# KiCad board coils_12_35_10_2_layer.kicad_pcb (continued)
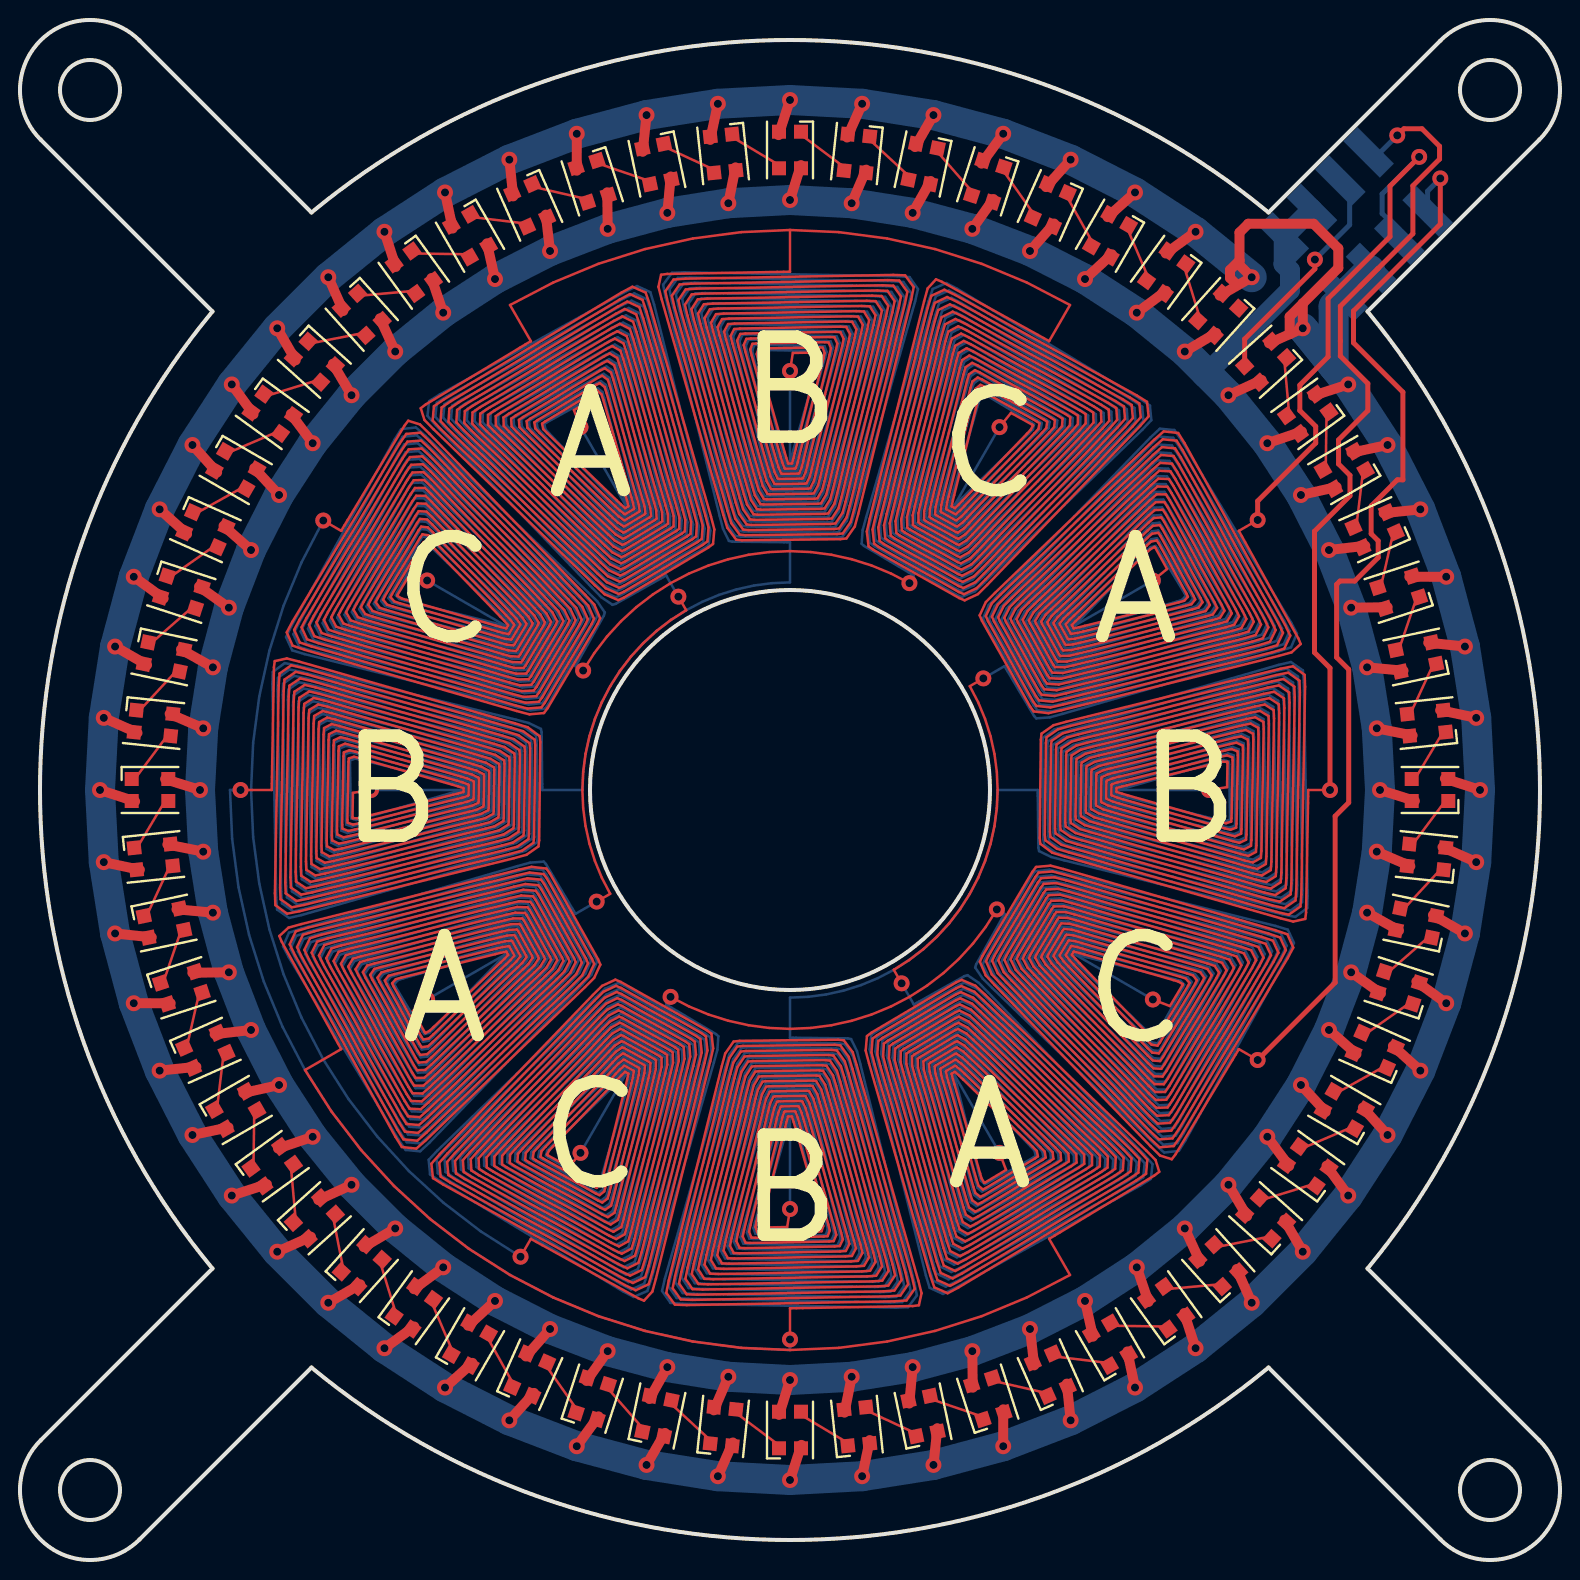
[diagram p0: board, top side]
## Routing (per net, layer and track width the routed paths; a pad name or vN(x,y) marks a point on that pad's centre or on a via; arc(x,y) is an arc through that point) (continued)
  Bottom w0.127: v1(59.45,38.5) 54.95,38.5 54.95,38.51 54.96,38.51 55.21,38.58 55.47,38.66 59.93,39.93 60.19,40 60.44,39.93 60.45,39.78 60.5,37.16 60.49,37.01 60.23,36.93 59.96,36.99 55.25,38.15 54.97,38.22 54.71,38.31 54.7,38.33 54.69,38.66 54.71,38.69 54.98,38.78 55.26,38.86 60.13,40.25 60.41,40.33 60.68,40.23 60.7,40.05 60.76,36.9 60.75,36.72 60.47,36.61 60.17,36.68 55.05,37.94 54.75,38.02 54.46,38.13 54.45,38.17 54.44,38.82 54.45,38.86 54.75,38.98 55.06,39.07 60.33,40.58 60.64,40.65 60.93,40.53 60.95,40.32 61.02,36.63 61.01,36.42 60.7,36.29 60.38,36.36 54.84,37.73 54.52,37.81 54.21,37.94 54.19,38.01 54.18,38.97 54.2,39.03 54.51,39.17 54.85,39.27 60.53,40.9 60.86,40.98 61.18,40.84 61.2,40.59 61.28,36.37 61.26,36.13 60.94,35.97 60.59,36.05 54.64,37.52 54.29,37.61 53.96,37.76 53.94,37.84 53.93,39.12 53.94,39.2 54.28,39.37 54.64,39.48 60.73,41.22 61.08,41.31 61.43,41.14 61.45,40.86 61.54,36.11 61.52,35.83 61.17,35.66 60.8,35.73 54.44,37.31 54.06,37.41 53.71,37.58 53.69,37.68 53.67,39.28 53.69,39.38 54.05,39.57 54.43,39.68 60.93,41.54 61.31,41.63 61.67,41.44 61.7,41.14 61.8,35.84 61.78,35.54 61.41,35.34 61.01,35.42 54.23,37.1 53.84,37.2 53.46,37.4 53.44,37.52 53.42,39.43 53.44,39.55 53.82,39.77 54.22,39.89 61.13,41.86 61.53,41.96 61.92,41.75 61.95,41.41 62.05,35.58 62.04,35.24 61.64,35.02 61.22,35.11 54.03,36.89 53.61,37 53.21,37.22 53.19,37.36 53.16,39.58 53.18,39.72 53.59,39.96 54.01,40.09 61.33,42.18 61.76,42.29 62.17,42.05 62.2,41.68 62.31,35.32 62.3,34.95 61.88,34.7 61.43,34.79 53.83,36.67 53.38,36.79 52.96,37.04 52.93,37.19 52.9,39.74 52.93,39.89 53.35,40.16 53.81,40.3 61.53,42.5 61.98,42.61 62.42,42.35 62.45,41.95 62.57,35.05 62.55,34.66 62.12,34.38 61.65,34.48 53.63,36.46 53.16,36.59 52.71,36.86 52.68,37.03 52.65,39.89 52.67,40.07 53.12,40.36 53.6,40.5 61.73,42.83 62.2,42.94 62.66,42.66 62.7,42.23 62.83,34.79 62.81,34.36 62.35,34.07 61.86,34.16 53.42,36.25 52.93,36.38 52.46,36.68 52.43,36.87 52.39,40.05 52.42,40.24 52.89,40.55 53.39,40.71 61.93,43.15 62.43,43.27 62.91,42.96 62.94,42.5 63.09,34.53 63.07,34.07 62.59,33.75 62.07,33.85 53.22,36.04 52.7,36.18 52.21,36.5 52.18,36.71 52.14,40.2 52.16,40.41 52.66,40.75 53.18,40.91 62.13,43.47 62.65,43.59 63.16,43.26 63.19,42.77 63.35,34.27 63.33,33.77 62.82,33.43 62.28,33.54 53.02,35.83 52.47,35.98 51.96,36.31 51.92,36.54 51.88,40.35 51.91,40.59 52.42,40.95 52.97,41.11 62.33,43.79 62.88,43.92 63.4,43.56 63.44,43.04 63.61,34 63.59,33.48 63.06,33.11 62.49,33.22 52.81,35.62 52.25,35.77 51.71,36.13 51.67,36.38 51.62,40.51 51.65,40.76 52.19,41.14 52.76,41.32 62.53,44.11 63.1,44.25 63.65,43.87 63.69,43.32 63.87,33.74 63.84,33.19 63.29,32.79 62.7,32.91 52.61,35.41 52.02,35.57 51.45,35.95 51.42,36.22 51.37,40.66 51.4,40.93 51.96,41.34 52.56,41.52 62.73,44.43 63.32,44.57 63.9,44.17 63.94,43.59 64.12,33.48 64.1,32.89 63.53,32.47 62.91,32.59 52.41,35.2 51.79,35.36 51.2,35.77 51.17,36.06 51.11,40.82 51.14,41.1 51.73,41.54 52.35,41.73 62.93,44.75 63.55,44.9 64.15,44.47 64.19,43.86 64.38,33.21 64.36,32.6 63.76,32.16 63.12,32.28 52.2,34.98 51.56,35.15 50.95,35.44 50.92,35.6 50.89,38.5 48.88,38.5 48.84,37.6 48.72,36.7 48.53,35.81 48.25,34.95 47.91,34.11 47.49,33.31 47,32.55 46.45,31.83 45.84,31.16 45.17,30.55 44.45,30 43.69,29.51 42.89,29.09 42.05,28.75 41.19,28.47 40.3,28.28 39.4,28.16 38.5,28.12 38.5,26.11 41.4,26.08 41.56,26.05 41.85,25.44 42.02,24.8 44.72,13.88 44.84,13.24 44.4,12.64 43.79,12.62 33.14,12.81 32.53,12.85 32.1,13.45 32.25,14.07 35.27,24.65 35.46,25.27 35.9,25.86 36.18,25.89 40.94,25.83 41.23,25.8 41.64,25.21 41.8,24.59 44.41,14.09 44.53,13.47 44.11,12.9 43.52,12.88 33.41,13.06 32.83,13.1 32.43,13.68 32.57,14.27 35.48,24.44 35.66,25.04 36.07,25.6 36.34,25.63 40.78,25.58 41.05,25.55 41.43,24.98 41.59,24.39 44.09,14.3 44.21,13.71 43.81,13.16 43.26,13.13 33.68,13.31 33.13,13.35 32.75,13.9 32.89,14.47 35.68,24.24 35.86,24.81 36.24,25.35 36.49,25.38 40.62,25.33 40.87,25.29 41.23,24.75 41.38,24.19 43.78,14.51 43.89,13.94 43.52,13.41 43,13.39 33.96,13.56 33.44,13.6 33.08,14.12 33.21,14.67 35.89,24.03 36.05,24.58 36.41,25.09 36.65,25.12 40.46,25.08 40.69,25.04 41.02,24.53 41.17,23.98 43.46,14.72 43.57,14.18 43.23,13.67 42.73,13.65 34.23,13.81 33.74,13.84 33.41,14.35 33.53,14.87 36.09,23.82 36.25,24.34 36.59,24.84 36.8,24.86 40.29,24.82 40.5,24.79 40.82,24.3 40.96,23.78 43.15,14.93 43.25,14.41 42.93,13.93 42.47,13.91 34.5,14.06 34.04,14.09 33.73,14.57 33.85,15.07 36.29,23.61 36.45,24.11 36.76,24.58 36.95,24.61 40.13,24.57 40.32,24.54 40.62,24.07 40.75,23.58 42.84,15.14 42.93,14.65 42.64,14.19 42.21,14.17 34.77,14.3 34.34,14.34 34.06,14.8 34.17,15.27 36.5,23.4 36.64,23.88 36.93,24.33 37.11,24.35 39.97,24.32 40.14,24.29 40.41,23.84 40.54,23.37 42.52,15.35 42.62,14.88 42.34,14.45 41.95,14.43 35.05,14.55 34.65,14.58 34.39,15.02 34.5,15.47 36.7,23.19 36.84,23.65 37.11,24.07 37.26,24.1 39.81,24.07 39.96,24.04 40.21,23.62 40.33,23.17 42.21,15.57 42.3,15.12 42.05,14.7 41.68,14.69 35.32,14.8 34.95,14.83 34.71,15.24 34.82,15.67 36.91,22.99 37.04,23.41 37.28,23.82 37.42,23.84 39.64,23.81 39.78,23.79 40,23.39 40.11,22.97 41.89,15.78 41.98,15.36 41.76,14.96 41.42,14.95 35.59,15.05 35.25,15.08 35.04,15.47 35.14,15.87 37.11,22.78 37.23,23.18 37.45,23.56 37.57,23.58 39.48,23.56 39.6,23.54 39.8,23.16 39.9,22.77 41.58,15.99 41.66,15.59 41.46,15.22 41.16,15.2 35.86,15.3 35.56,15.33 35.37,15.69 35.46,16.07 37.32,22.57 37.43,22.95 37.62,23.31 37.72,23.33 39.32,23.31 39.42,23.29 39.59,22.94 39.69,22.56 41.27,16.2 41.34,15.83 41.17,15.48 40.89,15.46 36.14,15.55 35.86,15.57 35.69,15.92 35.78,16.27 37.52,22.36 37.63,22.72 37.8,23.06 37.88,23.07 39.16,23.06 39.24,23.04 39.39,22.71 39.48,22.36 40.95,16.41 41.03,16.06 40.87,15.74 40.63,15.72 36.41,15.8 36.16,15.82 36.02,16.14 36.1,16.47 37.73,22.15 37.83,22.49 37.97,22.8 38.03,22.82 38.99,22.81 39.06,22.79 39.19,22.48 39.27,22.16 40.64,16.62 40.71,16.3 40.58,15.99 40.37,15.98 36.68,16.05 36.47,16.07 36.35,16.36 36.42,16.67 37.93,21.94 38.02,22.25 38.14,22.55 38.18,22.56 38.83,22.55 38.87,22.54 38.98,22.25 39.06,21.95 40.32,16.83 40.39,16.53 40.28,16.25 40.1,16.24 36.95,16.3 36.77,16.32 36.67,16.59 36.75,16.87 38.14,21.74 38.22,22.02 38.31,22.29 38.34,22.31 38.67,22.3 38.69,22.29 38.78,22.03 38.85,21.75 40.01,17.04 40.07,16.77 39.99,16.51 39.84,16.5 37.22,16.55 37.07,16.56 37,16.81 37.07,17.07 38.34,21.53 38.42,21.79 38.49,22.04 38.49,22.05 38.5,22.05 v1(38.5,17.55) ; v1(48.98,56.64) 46.73,52.75 46.73,52.74 46.74,52.75 46.93,52.93 47.12,53.12 50.45,56.34 50.64,56.53 50.7,56.79 50.58,56.87 48.34,58.22 48.2,58.29 48.01,58.1 47.92,57.84 46.58,53.18 46.5,52.91 46.44,52.64 46.45,52.61 46.74,52.44 46.77,52.44 46.98,52.63 47.2,52.84 50.83,56.35 51.04,56.56 51.09,56.85 50.94,56.95 48.24,58.58 48.08,58.66 47.85,58.47 47.75,58.18 46.29,53.11 46.21,52.81 46.16,52.51 46.18,52.48 46.74,52.15 46.79,52.14 47.04,52.33 47.27,52.55 51.21,56.36 51.43,56.59 51.48,56.91 51.3,57.03 48.14,58.94 47.95,59.03 47.69,58.83 47.59,58.52 46.01,53.04 45.92,52.72 45.87,52.38 45.92,52.34 46.75,51.85 46.81,51.83 47.09,52.03 47.34,52.27 51.59,56.38 51.83,56.62 51.86,56.97 51.66,57.11 48.04,59.29 47.83,59.4 47.53,59.19 47.42,58.86 45.72,52.97 45.63,52.62 45.59,52.26 45.65,52.2 46.75,51.55 46.83,51.52 47.15,51.73 47.42,51.99 51.97,56.39 52.22,56.65 52.25,57.04 52.02,57.19 47.95,59.65 47.7,59.77 47.37,59.56 47.25,59.2 45.44,52.9 45.33,52.53 45.31,52.13 45.39,52.06 46.76,51.25 46.85,51.22 47.2,51.43 47.49,51.71 52.35,56.4 52.62,56.69 52.63,57.1 52.38,57.27 47.85,60 47.58,60.14 47.22,59.92 47.09,59.54 45.15,52.83 45.04,52.43 45.03,52 45.12,51.93 46.76,50.95 46.88,50.91 47.25,51.13 47.56,51.42 52.72,56.41 53.01,56.72 53.02,57.16 52.74,57.35 47.75,60.36 47.45,60.51 47.06,60.28 46.92,59.88 44.87,52.76 44.75,52.34 44.75,51.88 44.85,51.79 46.77,50.65 46.9,50.6 47.31,50.83 47.64,51.14 53.1,56.43 53.41,56.75 53.41,57.22 53.1,57.43 47.65,60.71 47.32,60.88 46.9,60.65 46.76,60.22 44.58,52.69 44.46,52.24 44.46,51.75 44.59,51.65 46.77,50.35 46.92,50.3 47.36,50.53 47.71,50.86 53.48,56.44 53.8,56.78 53.79,57.29 53.46,57.51 47.55,61.07 47.2,61.25 46.74,61.01 46.59,60.56 44.3,52.62 44.17,52.15 44.18,51.63 44.32,51.52 46.78,50.06 46.94,49.99 47.42,50.23 47.78,50.57 53.86,56.45 54.2,56.81 54.18,57.35 53.82,57.59 47.45,61.42 47.07,61.62 46.58,61.37 46.42,60.9 44.01,52.55 43.88,52.05 43.9,51.5 44.05,51.38 46.79,49.76 46.97,49.68 47.47,49.93 47.85,50.29 54.24,56.46 54.59,56.84 54.57,57.41 54.18,57.67 47.36,61.78 46.95,61.99 46.43,61.74 46.26,61.24 43.73,52.48 43.59,51.96 43.62,51.37 43.79,51.24 46.79,49.46 46.99,49.37 47.53,49.64 47.93,50.01 54.62,56.48 54.99,56.87 54.95,57.47 54.55,57.75 47.26,62.14 46.82,62.37 46.27,62.1 46.09,61.58 43.45,52.41 43.3,51.86 43.34,51.25 43.52,51.1 46.8,49.16 47.01,49.07 47.58,49.34 48,49.73 54.99,56.49 55.38,56.9 55.34,57.53 54.91,57.83 47.16,62.49 46.7,62.74 46.11,62.46 45.93,61.92 43.16,52.34 43.01,51.77 43.05,51.12 43.25,50.97 46.8,48.86 47.03,48.76 47.63,49.04 48.07,49.44 55.37,56.5 55.78,56.93 55.72,57.6 55.27,57.91 47.06,62.85 46.57,63.11 45.95,62.83 45.76,62.26 42.88,52.27 42.72,51.67 42.77,50.99 42.99,50.83 46.81,48.56 47.05,48.45 47.69,48.74 48.15,49.16 55.75,56.51 56.17,56.96 56.11,57.66 55.63,57.99 46.96,63.2 46.44,63.48 45.8,63.19 45.59,62.6 42.59,52.2 42.43,51.58 42.49,50.87 42.72,50.69 46.81,48.27 47.08,48.15 47.74,48.44 48.22,48.88 56.13,56.53 56.56,56.99 56.5,57.72 55.99,58.07 46.86,63.56 46.32,63.85 45.64,63.55 45.43,62.94 42.31,52.13 42.13,51.49 42.08,50.81 42.2,50.7 44.69,49.23 v1(44.47,48.84) ; v1(56.64,28.03) 52.75,30.28 52.75,30.28 52.76,30.28 53.01,30.22 53.28,30.15 57.77,29.03 58.03,28.96 58.21,28.77 58.15,28.63 56.88,26.34 56.8,26.21 56.53,26.27 56.33,26.46 52.83,29.83 52.63,30.02 52.44,30.23 52.44,30.25 52.61,30.54 52.63,30.56 52.91,30.5 53.2,30.43 58.11,29.21 58.39,29.13 58.58,28.9 58.5,28.74 56.98,25.98 56.88,25.83 56.58,25.88 56.35,26.09 52.55,29.74 52.33,29.96 52.14,30.19 52.14,30.24 52.46,30.8 52.5,30.83 52.81,30.79 53.12,30.71 58.44,29.38 58.75,29.3 58.94,29.04 58.85,28.85 57.07,25.62 56.95,25.45 56.62,25.49 56.38,25.71 52.27,29.66 52.03,29.9 51.83,30.16 51.84,30.22 52.32,31.07 52.36,31.11 52.71,31.08 53.04,31 58.77,29.56 59.1,29.47 59.31,29.18 59.21,28.96 57.16,25.27 57.03,25.06 56.67,25.09 56.4,25.33 51.99,29.58 51.73,29.83 51.52,30.13 51.54,30.21 52.17,31.33 52.23,31.39 52.6,31.36 52.97,31.28 59.11,29.74 59.46,29.64 59.67,29.32 59.56,29.07 57.25,24.91 57.1,24.68 56.71,24.7 56.43,24.95 51.71,29.5 51.43,29.77 51.21,30.1 51.24,30.2 52.03,31.59 52.09,31.66 52.5,31.65 52.89,31.56 59.44,29.92 59.82,29.81 60.04,29.46 59.91,29.18 57.35,24.55 57.18,24.3 56.76,24.31 56.46,24.58 51.43,29.42 51.13,29.71 50.91,30.07 50.95,30.18 51.88,31.85 51.96,31.94 52.4,31.94 52.81,31.84 59.78,30.1 60.18,29.98 60.41,29.6 60.26,29.3 57.44,24.2 57.26,23.91 56.8,23.91 56.48,24.2 51.14,29.34 50.83,29.64 50.6,30.04 50.65,30.17 51.74,32.11 51.82,32.22 52.3,32.22 52.73,32.12 60.11,30.28 60.53,30.15 60.77,29.74 60.61,29.41 57.53,23.84 57.33,23.53 56.85,23.52 56.51,23.82 50.86,29.25 50.54,29.58 50.29,30.01 50.35,30.15 51.59,32.37 51.69,32.49 52.19,32.51 52.65,32.4 60.44,30.45 60.89,30.32 61.14,29.88 60.97,29.52 57.62,23.48 57.41,23.14 56.89,23.13 56.53,23.44 50.58,29.17 50.24,29.52 49.98,29.97 50.05,30.14 51.45,32.63 51.56,32.77 52.09,32.8 52.58,32.68 60.78,30.63 61.25,30.49 61.5,30.02 61.32,29.63 57.72,23.12 57.49,22.76 56.94,22.73 56.56,23.07 50.3,29.09 49.94,29.45 49.68,29.94 49.75,30.12 51.3,32.89 51.42,33.05 51.99,33.08 52.5,32.97 61.11,30.81 61.6,30.66 61.87,30.16 61.67,29.74 57.81,22.77 57.56,22.38 56.98,22.34 56.59,22.69 50.02,29.01 49.64,29.39 49.37,29.91 49.45,30.11 51.16,33.15 51.29,33.33 51.88,33.37 52.42,33.25 61.44,30.99 61.96,30.83 62.23,30.3 62.02,29.85 57.9,22.41 57.64,21.99 57.03,21.95 56.61,22.31 49.74,28.93 49.34,29.33 49.06,29.88 49.15,30.09 51.01,33.42 51.15,33.6 51.78,33.66 52.34,33.53 61.78,31.17 62.32,31.01 62.6,30.43 62.37,29.96 57.99,22.05 57.72,21.61 57.07,21.55 56.64,21.93 49.45,28.85 49.04,29.26 48.75,29.85 48.85,30.08 50.87,33.68 51.02,33.88 51.68,33.94 52.26,33.81 62.11,31.35 62.68,31.18 62.97,30.57 62.72,30.07 58.09,21.69 57.79,21.22 57.12,21.16 56.66,21.56 49.17,28.77 48.74,29.2 48.45,29.82 48.55,30.07 50.73,33.94 50.88,34.16 51.58,34.23 52.18,34.09 62.45,31.52 63.03,31.35 63.33,30.71 63.08,30.19 58.18,21.34 57.87,20.84 57.16,20.77 56.69,21.18 48.89,28.68 48.44,29.14 48.14,29.78 48.25,30.05 50.58,34.2 50.75,34.43 51.47,34.52 52.11,34.37 62.78,31.7 63.39,31.52 63.7,30.85 63.43,30.3 58.27,20.98 57.94,20.46 57.21,20.37 56.72,20.8 48.61,28.6 48.14,29.07 47.76,29.63 47.81,29.78 49.23,32.31 v1(48.84,32.53) ; v1(15.16,51.97) 14.08,49.89 13.18,47.72 12.47,45.47 11.96,43.18 11.66,40.85 11.55,38.5 11.66,36.15 11.96,33.82 12.47,31.53 13.18,29.28 14.08,27.11 15.16,25.03 16.43,23.04 17.86,21.18 19.45,19.45 21.18,17.86 23.04,16.43 v1(25.03,15.16) ; v1(38.5,59.45) 38.5,54.95 38.51,54.95 38.51,54.96 38.58,55.21 38.66,55.47 39.93,59.93 40,60.19 39.93,60.44 39.78,60.45 37.16,60.5 37.01,60.49 36.93,60.23 36.99,59.96 38.15,55.25 38.22,54.97 38.31,54.71 38.33,54.7 38.66,54.69 38.69,54.71 38.78,54.98 38.86,55.26 40.25,60.13 40.33,60.41 40.23,60.68 40.05,60.7 36.9,60.76 36.72,60.75 36.61,60.47 36.68,60.17 37.94,55.05 38.02,54.75 38.13,54.46 38.17,54.45 38.82,54.44 38.86,54.45 38.98,54.75 39.07,55.06 40.58,60.33 40.65,60.64 40.53,60.93 40.32,60.95 36.63,61.02 36.42,61.01 36.29,60.7 36.36,60.38 37.73,54.84 37.81,54.52 37.94,54.21 38.01,54.19 38.97,54.18 39.03,54.2 39.17,54.51 39.27,54.85 40.9,60.53 40.98,60.86 40.84,61.18 40.59,61.2 36.37,61.28 36.13,61.26 35.97,60.94 36.05,60.59 37.52,54.64 37.61,54.29 37.76,53.96 37.84,53.94 39.12,53.93 39.2,53.94 39.37,54.28 39.48,54.64 41.22,60.73 41.31,61.08 41.14,61.43 40.86,61.45 36.11,61.54 35.83,61.52 35.66,61.17 35.73,60.8 37.31,54.44 37.41,54.06 37.58,53.71 37.68,53.69 39.28,53.67 39.38,53.69 39.57,54.05 39.68,54.43 41.54,60.93 41.63,61.31 41.44,61.67 41.14,61.7 35.84,61.8 35.54,61.78 35.34,61.41 35.42,61.01 37.1,54.23 37.2,53.84 37.4,53.46 37.52,53.44 39.43,53.42 39.55,53.44 39.77,53.82 39.89,54.22 41.86,61.13 41.96,61.53 41.75,61.92 41.41,61.95 35.58,62.05 35.24,62.04 35.02,61.64 35.11,61.22 36.89,54.03 37,53.61 37.22,53.21 37.36,53.19 39.58,53.16 39.72,53.18 39.96,53.59 40.09,54.01 42.18,61.33 42.29,61.76 42.05,62.17 41.68,62.2 35.32,62.31 34.95,62.3 34.7,61.88 34.79,61.43 36.67,53.83 36.79,53.38 37.04,52.96 37.19,52.93 39.74,52.9 39.89,52.93 40.16,53.35 40.3,53.81 42.5,61.53 42.61,61.98 42.35,62.42 41.95,62.45 35.05,62.57 34.66,62.55 34.38,62.12 34.48,61.65 36.46,53.63 36.59,53.16 36.86,52.71 37.03,52.68 39.89,52.65 40.07,52.67 40.36,53.12 40.5,53.6 42.83,61.73 42.94,62.2 42.66,62.66 42.23,62.7 34.79,62.83 34.36,62.81 34.07,62.35 34.16,61.86 36.25,53.42 36.38,52.93 36.68,52.46 36.87,52.43 40.05,52.39 40.24,52.42 40.55,52.89 40.71,53.39 43.15,61.93 43.27,62.43 42.96,62.91 42.5,62.94 34.53,63.09 34.07,63.07 33.75,62.59 33.85,62.07 36.04,53.22 36.18,52.7 36.5,52.21 36.71,52.18 40.2,52.14 40.41,52.16 40.75,52.66 40.91,53.18 43.47,62.13 43.59,62.65 43.26,63.16 42.77,63.19 34.27,63.35 33.77,63.33 33.43,62.82 33.54,62.28 35.83,53.02 35.98,52.47 36.31,51.96 36.54,51.92 40.35,51.88 40.59,51.91 40.95,52.42 41.11,52.97 43.79,62.33 43.92,62.88 43.56,63.4 43.04,63.44 34,63.61 33.48,63.59 33.11,63.06 33.22,62.49 35.62,52.81 35.77,52.25 36.13,51.71 36.38,51.67 40.51,51.62 40.76,51.65 41.14,52.19 41.32,52.76 44.11,62.53 44.25,63.1 43.87,63.65 43.32,63.69 33.74,63.87 33.19,63.84 32.79,63.29 32.91,62.7 35.41,52.61 35.57,52.02 35.95,51.45 36.22,51.42 40.66,51.37 40.93,51.4 41.34,51.96 41.52,52.56 44.43,62.73 44.57,63.32 44.17,63.9 43.59,63.94 33.48,64.12 32.89,64.1 32.47,63.53 32.59,62.91 35.2,52.41 35.36,51.79 35.77,51.2 36.06,51.17 40.82,51.11 41.1,51.14 41.54,51.73 41.73,52.35 44.75,62.93 44.9,63.55 44.47,64.15 43.86,64.19 33.21,64.38 32.6,64.36 32.16,63.76 32.28,63.12 34.98,52.2 35.15,51.56 35.44,50.95 35.6,50.92 38.5,50.89 38.5,48.88 37.6,48.84 36.7,48.72 35.81,48.53 34.95,48.25 34.11,47.91 33.31,47.49 32.55,47 31.83,46.45 31.16,45.84 30.55,45.17 30,44.45 29.51,43.69 29.09,42.89 28.75,42.05 28.47,41.19 28.28,40.3 28.16,39.4 28.12,38.5 26.11,38.5 26.08,41.4 26.05,41.56 25.44,41.85 24.8,42.02 13.88,44.72 13.24,44.84 12.64,44.4 12.62,43.79 12.81,33.14 12.85,32.53 13.45,32.1 14.07,32.25 24.65,35.27 25.27,35.46 25.86,35.9 25.89,36.18 25.83,40.94 25.8,41.23 25.21,41.64 24.59,41.8 14.09,44.41 13.47,44.53 12.9,44.11 12.88,43.52 13.06,33.41 13.1,32.83 13.68,32.43 14.27,32.57 24.44,35.48 25.04,35.66 25.6,36.07 25.63,36.34 25.58,40.78 25.55,41.05 24.98,41.43 24.39,41.59 14.3,44.09 13.71,44.21 13.16,43.81 13.13,43.26 13.31,33.68 13.35,33.13 13.9,32.75 14.47,32.89 24.24,35.68 24.81,35.86 25.35,36.24 25.38,36.49 25.33,40.62 25.29,40.87 24.75,41.23 24.19,41.38 14.51,43.78 13.94,43.89 13.41,43.52 13.39,43 13.56,33.96 13.6,33.44 14.12,33.08 14.67,33.21 24.03,35.89 24.58,36.05 25.09,36.41 25.12,36.65 25.08,40.46 25.04,40.69 24.53,41.02 23.98,41.17 14.72,43.46 14.18,43.57 13.67,43.23 13.65,42.73 13.81,34.23 13.84,33.74 14.35,33.41 14.87,33.53 23.82,36.09 24.34,36.25 24.84,36.59 24.86,36.8 24.82,40.29 24.79,40.5 24.3,40.82 23.78,40.96 14.93,43.15 14.41,43.25 13.93,42.93 13.91,42.47 14.06,34.5 14.09,34.04 14.57,33.73 15.07,33.85 23.61,36.29 24.11,36.45 24.58,36.76 24.61,36.95 24.57,40.13 24.54,40.32 24.07,40.62 23.58,40.75 15.14,42.84 14.65,42.93 14.19,42.64 14.17,42.21 14.3,34.77 14.34,34.34 14.8,34.06 15.27,34.17 23.4,36.5 23.88,36.64 24.33,36.93 24.35,37.11 24.32,39.97 24.29,40.14 23.84,40.41 23.37,40.54 15.35,42.52 14.88,42.62 14.45,42.34 14.43,41.95 14.55,35.05 14.58,34.65 15.02,34.39 15.47,34.5 23.19,36.7 23.65,36.84 24.07,37.11 24.1,37.26 24.07,39.81 24.04,39.96 23.62,40.21 23.17,40.33 15.57,42.21 15.12,42.3 14.7,42.05 14.69,41.68 14.8,35.32 14.83,34.95 15.24,34.71 15.67,34.82 22.99,36.91 23.41,37.04 23.82,37.28 23.84,37.42 23.81,39.64 23.79,39.78 23.39,40 22.97,40.11 15.78,41.89 15.36,41.98 14.96,41.76 14.95,41.42 15.05,35.59 15.08,35.25 15.47,35.04 15.87,35.14 22.78,37.11 23.18,37.23 23.56,37.45 23.58,37.57 23.56,39.48 23.54,39.6 23.16,39.8 22.77,39.9 15.99,41.58 15.59,41.66 15.22,41.46 15.2,41.16 15.3,35.86 15.33,35.56 15.69,35.37 16.07,35.46 22.57,37.32 22.95,37.43 23.31,37.62 23.33,37.72 23.31,39.32 23.29,39.42 22.94,39.59 22.56,39.69 16.2,41.27 15.83,41.34 15.48,41.17 15.46,40.89 15.55,36.14 15.57,35.86 15.92,35.69 16.27,35.78 22.36,37.52 22.72,37.63 23.06,37.8 23.07,37.88 23.06,39.16 23.04,39.24 22.71,39.39 22.36,39.48 16.41,40.95 16.06,41.03 15.74,40.87 15.72,40.63 15.8,36.41 15.82,36.16 16.14,36.02 16.47,36.1 22.15,37.73 22.49,37.83 22.8,37.97 22.82,38.03 22.81,38.99 22.79,39.06 22.48,39.19 22.16,39.27 16.62,40.64 16.3,40.71 15.99,40.58 15.98,40.37 16.05,36.68 16.07,36.47 16.36,36.35 16.67,36.42 21.94,37.93 22.25,38.02 22.55,38.14 22.56,38.18 22.55,38.83 22.54,38.87 22.25,38.98 21.95,39.06 16.83,40.32 16.53,40.39 16.25,40.28 16.24,40.1 16.3,36.95 16.32,36.77 16.59,36.67 16.87,36.75 21.74,38.14 22.02,38.22 22.29,38.31 22.31,38.34 22.3,38.67 22.29,38.69 22.03,38.78 21.75,38.85 17.04,40.01 16.77,40.07 16.51,39.99 16.5,39.84 16.55,37.22 16.56,37.07 16.81,37 17.07,37.07 21.53,38.34 21.79,38.42 22.04,38.49 22.05,38.49 22.05,38.5 v1(17.55,38.5) ; v1(28.83,32.92) 27.77,32.31 26.3,34.8 26.19,34.92 25.51,34.87 24.87,34.69 14.06,31.57 13.45,31.36 13.15,30.68 13.44,30.14 18.93,21.01 19.28,20.5 20.01,20.44 20.47,20.87 28.12,28.78 28.56,29.26 28.85,29.92 28.73,30.19 26.31,34.28 26.13,34.51 25.42,34.57 24.8,34.41 14.4,31.41 13.81,31.2 13.52,30.56 13.8,30.04 19.01,21.37 19.34,20.89 20.04,20.83 20.49,21.25 27.84,28.85 28.26,29.31 28.55,29.95 28.44,30.19 26.17,34.01 26.01,34.23 25.33,34.28 24.73,34.12 14.74,31.24 14.17,31.05 13.89,30.43 14.15,29.94 19.09,21.73 19.4,21.28 20.07,21.22 20.5,21.63 27.56,28.93 27.96,29.37 28.24,29.97 28.14,30.2 26.03,33.75 25.88,33.95 25.23,33.99 24.66,33.84 15.08,31.07 14.54,30.89 14.26,30.3 14.51,29.84 19.17,22.09 19.47,21.66 20.1,21.62 20.51,22.01 27.27,29 27.66,29.42 27.93,29.99 27.84,30.2 25.9,33.48 25.75,33.66 25.14,33.7 24.59,33.55 15.42,30.91 14.9,30.73 14.63,30.18 14.86,29.74 19.25,22.45 19.53,22.05 20.13,22.01 20.52,22.38 